# Altium PCB uTCA_MCH_PCB3.pcbdoc (part 6 of 25) (continued)
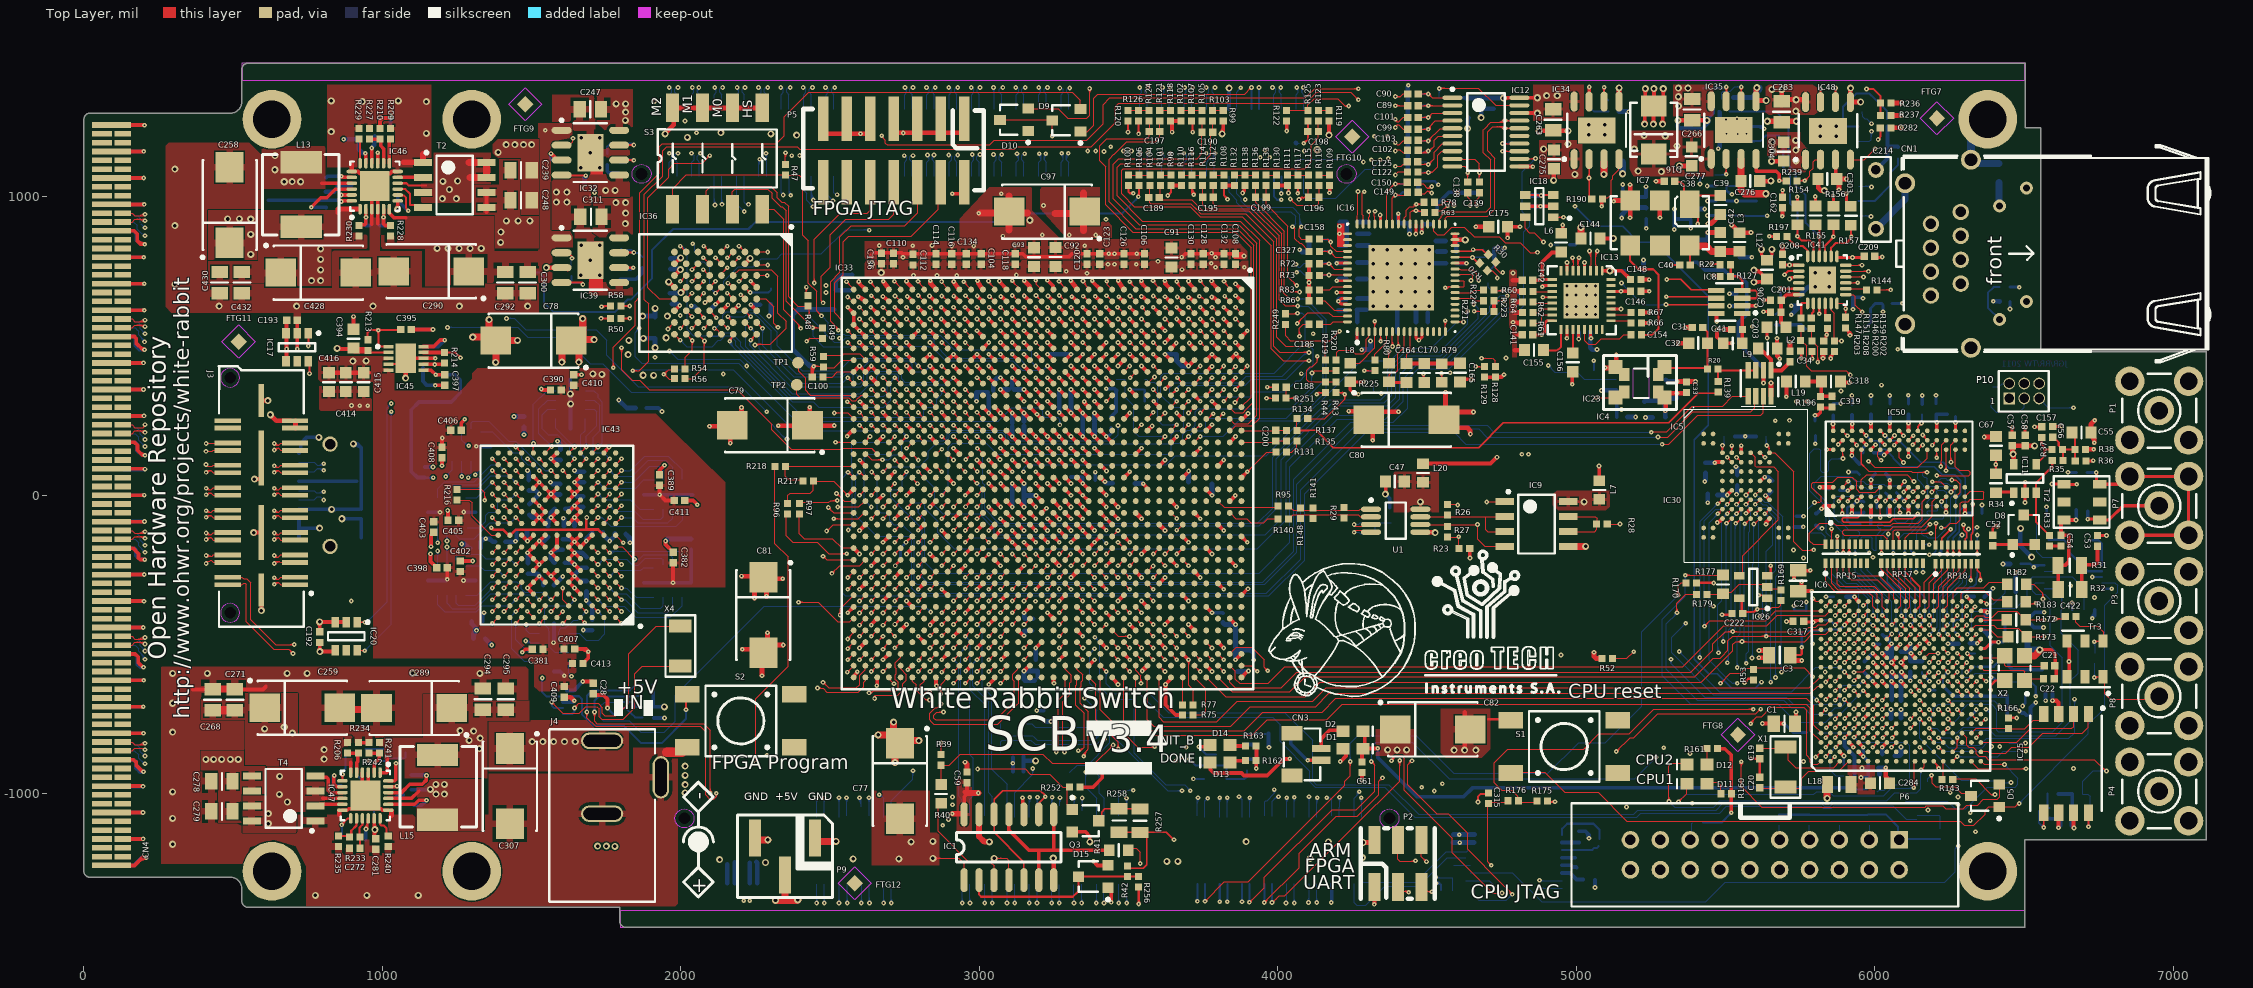
[diagram p0: Top Layer view]
## Nets (pads, with @x,y where several pads share a name; then routed paths per layer and width w, separated by ;. In a path a pad name is that pad's centre, name@x,y a point inside that pad or via, vN(x,y) a via of type N, cw(c..) or ccw(c..) an arc to the next point about the centre after c; other vN are vias at no path point) (continued)
D3: IC33.V24 IC36.E4 | length 1755.2
  Top Layer w3.94: IC36.E4@2096.46,696.85 v1(2116.14,716.54) ; v1@2110.24,716.54 cw(c2095.98,716.54) 2106.06,706.45 cw(c2116.14,696.37) v1@2116.14,710.63 ; v1@3188.98,-202.76 cw(c3188.98,-217.01) 3199.06,-206.93 cw(c3209.14,-196.85) v1@3194.88,-196.85 ; v1(3188.98,-196.85) IC33.V24@3208.66,-216.54
  MidLayer2 w3.94: v1@2116.14,710.63 cw(c2116.14,696.37) 2126.22,706.45 cw(c2136.3,716.54) v1@2122.05,716.54 ; v1(2116.14,716.54) 2131.02,701.65 ; 2131.02,701.5 2135.16,697.36 2135.16,601.5 2192.32,544.33 2276.61,544.33 2364.13,456.81 2555.98,456.81 2634.84,377.95 2752.52,377.95 2861.21,269.26 ; 2861.21,268.32 2908.08,221.46 ; 2909.76,221.46 2949.35,221.46 3097.4,73.41 3097.4,73.24 3104.9,65.75 3105.06,65.75 3167.32,3.49 3167.32,-175.2 v1(3188.98,-196.85) ; v1@3183.07,-196.85 ccw(c3168.81,-196.85) 3178.9,-186.77 ccw(c3188.98,-176.69) v1@3188.98,-190.94
D4: IC33.H24 IC36.E5 | length 2299.8
  Top Layer w3.94: v1@2076.77,639.76 2092.52,655.51 cw(c2082.75,665.28) v1@2081.32,651.54 ; v1@2086.61,645.67 cw(c2096.11,645.67) IC36.E5@2089.39,652.38 ; IC33.H24@3602.36,-216.54 v1(3622.05,-236.22) ; v1@3616.14,-236.22 ccw(c3601.88,-236.22) 3611.97,-226.14 ccw(c3622.05,-216.06) v1@3622.05,-230.31
  MidLayer3 w3.94: v1@2076.53,641.49 cw(c2068.34,633.3) 2079.92,633.3 ; 2079.92,629.52 cw(c2096.85,629.52) v1@2084.88,641.49 ; v1(2080.7,645.67) 2076.77,641.73 2079.92,638.58 2079.92,614.96 2092.48,602.4 2092.48,558.86 2104.45,546.89 2104.45,481.97 2115.63,470.79 2115.63,372.95 2172.85,315.73 2210.62,315.73 2226.89,299.46 2226.89,264.45 2353.54,137.8 2676.38,137.8 2709.84,104.33 2751.97,104.33 2774.8,81.5 2774.8,48.31 2780.2,42.91 2780.2,33.7 2787.7,26.2 2796.91,26.2 2815.35,7.76 2815.35,-5.91 ; 2815.45,-5.76 2824.98,-15.29 3420.47,-15.29 3503.61,-98.43 3562.06,-98.43 3639.76,-176.13 3639.76,-218.5 v1(3622.05,-236.22) ; v1@3622.05,-230.31 ccw(c3622.05,-216.06) 3632.13,-226.14 ccw(c3642.21,-236.22) v1@3627.95,-236.22
D5: IC33.H25 IC36.G5 | length 2358.6
  Top Layer w3.94: IC36.G5@2017.72,657.48 v1(2037.4,677.17) ; v1@2031.5,677.17 cw(c2017.24,677.17) 2027.32,667.08 cw(c2037.4,657) v1@2037.4,671.26 ; v1(3582.68,-275.59) IC33.H25@3602.36,-255.91 ; v1@3582.68,-269.69 ccw(c3582.68,-255.43) 3592.76,-265.51 ccw(c3602.84,-275.59) v1@3588.58,-275.59
  MidLayer3 w3.94: v1@2031.5,677.17 cw(c2017.24,677.17) 2027.32,667.08 cw(c2037.4,657) v1@2037.4,671.26 ; v1(2037.4,677.17) 2021.65,661.42 1988.19,661.42 1976.38,649.61 1976.38,407.56 2348.5,35.43 2622.05,35.43 2829.24,-171.76 3260.72,-171.76 3280.51,-191.55 ; 3280.51,-191.61 3312.32,-223.43 ; 3312.39,-223.43 3319.88,-230.92 3319.88,-236.02 3335.64,-251.78 3560.84,-251.78 v1@3582.68,-273.62 ; 3571.2,-262.15 cw(c3557.76,-275.59) v1@3576.77,-275.59 ; 3575.96,-266.9 ccw(c3582.68,-260.18) v1@3582.68,-269.69 ; 3577.92,-268.87 cw(c3571.2,-275.59) v1@3580.71,-275.59
D6: IC33.P24 IC36.G6 | length 1967
  Top Layer w3.94: IC36.G6@2017.72,618.11 v1(2037.4,598.43) ; v1@2031.5,598.43 ccw(c2017.24,598.43) 2027.32,608.51 ccw(c2037.4,618.59) v1@2037.4,604.33 ; v1(3346.46,-236.22) IC33.P24@3366.14,-216.54 ; v1@3346.46,-230.32 ccw(c3346.46,-216.06) 3356.54,-226.14 ccw(c3366.62,-236.22) v1@3352.36,-236.22
  MidLayer3 w3.94: 2027.9,596.46 cw(c2027.9,588.92) v1@2033.23,594.25 ; v1@2031.95,600.7 cw(c2025.59,603.35) 2025.59,596.46 ; v1@2039.37,596.46 2025.59,596.46 ; 2789.57,-92.72 2841.34,-144.49 3272.82,-144.49 3300.47,-172.13 3300.47,-172.53 3333.66,-205.73 3333.66,-225 v1@3344.88,-236.22 ; 2789.57,-92.52 2788.42,-92.52 2744.2,-48.3 2744.2,-47.16 2647.84,49.21 2353.23,49.21 2011.81,390.63 2011.81,582.68 2025.59,596.46 ; 3333.69,-225.03 ccw(c3346.46,-212.26) v1@3346.46,-230.32 ; 3337.49,-228.83 cw(c3330.1,-236.22) v1@3340.55,-236.22
D7: IC33.R24 IC36.H7 | length 1936.8
  Top Layer w3.94: v1(1956.69,557.09) IC36.H7@1978.35,578.74 ; v1@1956.69,562.99 ccw(c1956.69,577.25) 1966.77,567.17 ccw(c1976.86,557.09) v1@1962.6,557.09 ; v1(3307.09,-236.22) IC33.R24@3326.77,-216.54 ; v1@3307.09,-230.32 ccw(c3307.09,-216.06) 3317.17,-226.14 ccw(c3327.25,-236.22) v1@3312.99,-236.22
  MidLayer3 w3.94: 1930.83,486.49 1958.66,458.66 1958.66,406.02 2344.02,20.67 2596.58,20.67 2798.25,-181 3233.77,-181 3288.99,-236.22 v1(3307.09,-236.22) ; 1931.1,486.76 1931.1,532.93 v1@1954.72,556.55 ; 1944.17,545.99 cw(c1956.69,533.46) v1@1956.69,551.18 ; 1947.62,549.45 ccw(c1939.99,557.09) v1@1950.79,557.09 ; v1@1954.72,557.09 v1@1956.69,559.06 ; v1@3302.91,-240.4 ccw(c3292.83,-250.48) 3292.83,-236.22 ccw(c3292.83,-221.96) v1@3302.91,-232.04
D8: IC33.G23 IC36.E1 | length 4483.3
  Top Layer w3.94: v1@2076.77,828.74 cw(c2076.77,814.47) 2086.86,824.56 cw(c2096.92,834.64) v1@2082.67,834.64 ; v1(2076.77,834.64) IC36.E1@2096.46,814.96 ; v1@3622.05,-196.85 IC33.G23@3639.76,-179.13 ; v1@3622.05,-190.94 ccw(c3622.05,-176.69) 3632.13,-186.77 ccw(c3642.21,-196.85) v1@3627.95,-196.85
  MidLayer4 w3.94: v1@2052.28,1208.58 cw(c2052.28,1194.33) 2062.36,1204.41 cw(c2072.45,1214.49) v1@2058.19,1214.49 ; v1(2052.28,1214.49) 2077.99,1188.78 v1@2077.99,833.07 ; v1@2072.59,838.82 ccw(c2059.55,851.86) 2077.99,851.86 ; 2077.99,845.94 ccw(c2088.07,845.94) v1@2080.94,838.82
  MidLayer2 w3.94: v1@3616.14,-196.85 cw(c3601.88,-196.85) 3611.97,-206.93 cw(c3622.05,-217.01) v1@3622.05,-202.76 ; v1@3620.08,-198.82 3598.43,-220.47 3541.47,-220.47 3525,-204 3525,-187 3515.17,-177.17 3496.17,-177.17 3485,-166 3485,-147 3477,-139 3455,-139 3441.5,-125.5 3441.5,116.32 3657.86,332.68 3737.2,332.68 3932.05,527.52 3932.05,1074.1 3956.69,1098.74 v1(3956.69,1155.51) ; v1@3952.52,1151.34 cw(c3942.44,1141.25) 3956.69,1141.25 cw(c3970.95,1141.25) v1@3960.87,1151.34
  MidLayer3 w3.94: v1@2048.11,1218.66 ccw(c2035.37,1231.41) 2053.39,1231.41 ; v1@2053.39,1212.13 2053.39,1258.11 2088.58,1293.31 3903.26,1293.31 3956.69,1239.87 v1(3956.69,1155.51) ; 2053.39,1226.08 ccw(c2063.88,1226.08) v1@2056.46,1218.66 ; v1@3952.52,1159.69 ccw(c3942.44,1169.77) 3956.69,1169.77 ccw(c3970.95,1169.77) v1@3960.87,1159.69
  other v1: 3622.05,-196.85
D9: IC33.H23 IC36.E3 | length 4859.9
  Top Layer w3.94: v1@2074.8,750 cw(c2074.8,735.74) 2084.88,745.82 cw(c2094.97,755.91) v1@2080.71,755.91 ; v1(2074.8,755.91) IC36.E3@2094.49,736.22 ; v1@3582.67,-190.94 ccw(c3582.67,-176.67) 3592.77,-186.76 ; v1(3582.67,-196.85) IC33.H23@3602.36,-177.17 ; v1@3588.58,-196.85 cw(c3602.81,-196.85) 3592.75,-186.78
  MidLayer1 w3.94: 1867.95,1238.19 1824.65,1194.88 1824.65,1023.35 1844.61,1003.39 1844.61,857.48 1924.53,777.56 2053.15,777.56 v1(2074.8,755.91) ; 1868.11,1238.19 1883.86,1253.94 2012.87,1253.94 2013.6,1254.67 2013.88,1254.39 v1(2013.88,1253.96) ; 1999.57,1253.94 ccw(c1999.57,1268.27) v1@2009.7,1258.14 ; 1999.68,1253.94 cw(c1999.68,1239.76) v1@2009.7,1249.78 ; v1@2068.9,755.91 ccw(c2054.64,755.91) 2064.72,765.99 ccw(c2074.8,776.07) v1@2074.8,761.81
  MidLayer2 w3.94: v1@3576.76,-196.85 ccw(c3562.51,-196.85) 3572.59,-186.77 ccw(c3582.67,-176.69) v1@3582.67,-190.94 ; v1(3582.67,-196.85) 3560.82,-175 3533,-175 3525,-167 3525,-145 3519,-139 3497,-139 3487,-129 3487,119.87 3657.48,290.35 3735.24,290.35 3746.06,301.18 ; v1@3583.31,-196.85 v1@3583.31,-195.67 ; 3742.5,297.24 3945.02,499.77 3945.02,1062.3 3972.44,1089.72 v1(3972.44,1131.89) ; v1@3968.27,1127.71 cw(c3958.18,1117.63) 3972.44,1117.63 cw(c3986.7,1117.63) v1@3976.62,1127.71
  MidLayer3 w3.94: v1@2013.78,1257.87 2074.8,1318.9 3903.54,1318.9 3972.44,1250 v1(3972.44,1131.89) ; v1@2013.88,1259.87 ccw(c2013.88,1264.43) 2017.11,1261.2 ; v1@2015.85,1253.96 cw(c2030.29,1253.96) 2020.08,1264.17 ; v1@2019.79,1253.96 cw(c2043.73,1253.96) 2026.8,1270.89 ; v1@3968.27,1136.07 ccw(c3958.18,1146.15) 3972.44,1146.15 ccw(c3986.7,1146.15) v1@3976.62,1136.07
D10: IC33.N24 IC36.F3 | length 2155.9
  Top Layer w3.94: v1(2037.4,716.54) IC36.F3@2057.09,736.22 ; v1@2037.4,722.44 ccw(c2037.4,736.7) 2047.48,726.62 ccw(c2057.56,716.54) v1@2043.31,716.54 ; v1(3385.83,-236.22) IC33.N24@3405.51,-216.54 ; v1@3385.83,-230.31 ccw(c3385.83,-216.06) 3395.91,-226.14 ccw(c3405.99,-236.22) v1@3391.73,-236.22
  MidLayer3 w3.94: v1@2037.4,710.63 cw(c2037.4,701.13) 2044.12,707.85 ; v1@2037.4,714.57 2051.18,700.79 2051.18,548.54 ; v1@2039.37,716.54 ccw(c2048.87,716.54) 2042.15,709.81 ; v1@2043.31,716.54 ccw(c2062.32,716.54) 2048.87,703.09 ; 2051.14,554.88 2051.14,546.54 2042.8,538.19 2030.16,538.19 2022.8,530.83 2022.8,401.42 2365.16,59.06 2677.17,59.06 2720.47,15.75 ; 2712.6,23.62 2869.76,-133.54 3317.8,-133.54 3366.14,-181.89 3366.14,-217.32 v1@3385.43,-236.61 ; 3374.4,-225.58 ccw(c3385.83,-214.16) v1@3385.83,-230.32 ; 3376.3,-227.48 cw(c3367.57,-236.22) v1@3379.92,-236.22
D11: IC33.N23 IC36.F4 | length 2058.5
  Top Layer w3.94: IC36.F4@2057.09,696.85 v1(2076.77,716.54) ; v1@2070.87,716.54 cw(c2056.61,716.54) 2066.69,706.45 cw(c2076.77,696.37) v1@2076.77,710.63 ; v1(3385.83,-196.85) IC33.N23@3405.51,-177.17 ; v1@3385.83,-190.94 ccw(c3385.83,-176.69) 3395.91,-186.77 ccw(c3405.99,-196.85) v1@3391.73,-196.85
  MidLayer3 w3.94: v1@2070.87,716.54 cw(c2056.61,716.54) 2066.69,706.45 cw(c2076.77,696.37) v1@2076.77,710.63 ; v1(2076.77,716.54) 2062.99,702.75 2062.99,484.26 2062.99,384.8 2353.31,94.49 2681.3,94.49 2876.18,-100.39 3310.63,-100.39 3385.83,-175.59 v1@3385.83,-196.46 ; v1@3381.65,-192.67 ccw(c3371.57,-182.59) 3385.83,-182.59 ccw(c3400.08,-182.59) v1@3390,-192.67
D12: IC33.F23 IC36.F5 | length 2933.8
  Top Layer w3.94: IC36.F5@2057.09,657.48 v1(2076.77,677.17) ; v1@2070.87,677.17 cw(c2056.61,677.17) 2066.69,667.08 cw(c2076.77,657) v1@2076.77,671.26
  Top Layer w4.29: v1(3661.42,-196.85) IC33.F23@3679.13,-179.13 ; v1@3661.42,-191.12 ccw(c3661.42,-177.29) 3671.2,-187.07 ccw(c3680.98,-196.85) v1@3667.15,-196.85
  MidLayer1 w3.94: v1(1860.24,559.06) 1911.42,559.06 1925.2,572.83 2000,572.83 2015.75,588.58 2015.75,596.46 2050.69,631.4 2050.69,651.08 v1(2076.77,677.17) ; v1@1864.41,554.88 cw(c1874.49,544.8) 1874.49,559.06 cw(c1874.49,573.31) v1@1864.41,563.23 ; v1@2070.87,677.17 cw(c2056.61,677.17) 2066.69,667.08 cw(c2076.77,657) v1@2076.77,671.26
  MidLayer4 w3.94: v1@3273.86,239.95 ccw(c3282,248.08) 3282,236.57 ; v1@3274,231.73 cw(c3285.16,221.3) 3285.16,236.57 ; v1@3274.49,236.57 3285.16,236.57 ; 3312.09,209.65 3285.16,236.57 ; 3312.39,209.65 3327.76,194.28 3327.76,-120.39 3385.31,-177.95 3642.86,-177.95 v1@3661.71,-196.8 ; v1@3655.51,-196.85 ccw(c3641.25,-196.85) 3651.34,-186.77 ccw(c3661.42,-176.69) v1@3661.42,-190.94
  Bottom Layer w3.94: v1@1854.33,559.06 cw(c1840.07,559.06) 1850.15,548.97 cw(c1860.24,538.89) v1@1860.24,553.15 ; v1(1860.24,559.06) 1846.34,545.16 1846.34,463.9 1868.11,442.13 2193.31,442.13 2206.73,428.7 ; 2206.73,427.21 2385.91,248.03 3063.19,248.03 3108.47,293.31 3199.11,293.31 3211.8,280.62 3211.8,267.46 3218.6,260.66 3262.77,260.66 3269.69,253.74 v1@3269.69,238.78 ; v1@3265.51,239.95 ccw(c3255.44,250.02) 3269.68,250.02 ; 3269.68,250.03 ccw(c3283.95,250.03) v1@3273.86,239.95
  other v1: 3269.69,235.77
D13: IC33.F24 IC36.H5 | length 4809.4
  Top Layer w3.94: IC36.H5@1974.41,657.48 1927.17,657.48 1889.76,694.88 1889.76,996.06 1958.66,1064.96 1958.66,1092.52 1978.35,1112.2 2070.87,1112.2 v1(2096.46,1137.8) ; v1@2090.55,1137.8 cw(c2076.29,1137.8) 2086.38,1127.71 cw(c2096.46,1117.63) v1@2096.46,1131.89 ; IC33.F24@3681.1,-216.54 v1(3700.79,-236.22) ; v1@3694.88,-236.22 ccw(c3680.63,-236.22) 3690.71,-226.14 ccw(c3700.79,-216.06) v1@3700.79,-230.32
  MidLayer2 w3.94: 3588.62,302.2 3401.57,115.16 3401.57,-126.57 3415,-140 3430,-140 3446,-156 3446,-238 3461.94,-253.94 3683.07,-253.94 v1(3700.79,-236.22) ; 3589.3,302.2 3596.8,309.7 ; 3596.8,310.38 3658.46,372.05 3738.56,372.05 3917.13,550.62 3917.13,1084.37 3940.94,1108.18 v1(3940.94,1131.89) ; v1@3694.88,-236.22 cw(c3680.63,-236.22) 3690.71,-246.3 cw(c3700.79,-256.38) v1@3700.79,-242.13 ; v1@3936.77,1127.71 cw(c3926.69,1117.63) 3940.94,1117.63 cw(c3955.2,1117.63) v1@3945.12,1127.71
  MidLayer3 w3.94: v1(2096.46,1137.8) 2096.46,1143.02 2225.79,1272.36 3894.96,1272.36 3927.87,1239.46 3927.87,1182.84 3940.94,1169.76 v1(3940.94,1131.89) ; v1@2098.43,1137.8 cw(c2115.8,1137.8) 2103.51,1150.08 ; v1@2102.36,1137.8 cw(c2129.24,1137.8) 2110.24,1156.8 ; v1@3936.77,1136.07 ccw(c3926.69,1146.15) 3940.94,1146.15 ccw(c3955.2,1146.15) v1@3945.12,1136.07
D14: IC33.L24 IC36.G7 | length 5757
  Top Layer w3.94: v1(1998.03,559.06) IC36.G7@2017.72,578.74 ; v1@1998.03,564.96 ccw(c1998.03,579.22) 2008.11,569.14 ccw(c2018.2,559.06) v1@2003.94,559.06 ; v1(3464.57,-236.22) IC33.L24@3484.25,-216.54 ; v1@3464.57,-230.32 ccw(c3464.57,-216.06) 3474.65,-226.14 ccw(c3484.73,-236.22) v1@3470.47,-236.22
  MidLayer1 w3.94: v1@1913.39,458.66 1998.03,543.31 v1(1998.03,559.06) ; v1@1913.39,464.57 ccw(c1913.39,478.82) 1923.47,468.74 ; v1@1913.39,468.5 ccw(c1913.39,492.27) 1930.19,475.46 ; v1@1919.29,462.6 cw(c1924.04,462.6) 1920.68,465.96 ; v1@1993.86,554.88 cw(c1983.77,544.8) 1998.03,544.8 cw(c2012.29,544.8) v1@2002.21,554.88 ; v1@3458.66,-236.22 ccw(c3444.4,-236.22) 3454.49,-226.14 ccw(c3464.57,-216.06) v1@3464.57,-230.31 ; v1(3464.57,-236.22) 3446.35,-218 3419,-218 3406,-205 3406,234 3493,321 3562,321 3575.65,334.65 3624.8,334.65 3637.8,347.64 3637.8,366.14 3647.64,375.98 3830.96,375.98 3838.67,383.69 3838.67,403.21 3844.91,409.45 4076.77,409.45 v1(4078.74,407.48) ; 4059.73,409.45 cw(c4059.73,388.47) v1@4074.56,403.3 ; v1@4074.56,411.66 cw(c4069.24,416.99) 4069.24,409.45 cw(c4069.24,397.98) v1@4077.35,406.09
  MidLayer2 w3.94: 1892.32,629.92 1892.32,477.17 ; 1892.99,629.57 1909.45,646.02 1909.45,1316.93 v1(1911.42,1318.9) ; 1899,470.48 ccw(c1913.29,484.77) v1@1913.38,464.57 ; v1@1907.24,1314.72 cw(c1901.91,1309.39) 1909.45,1309.39 cw(c1920.92,1309.39) v1@1912.81,1317.51 ; v1@1909.45,462.6 v1(1913.39,462.6) 1913.39,456.1 1892.32,477.17 ; 1909.45,1299.89 cw(c1930.43,1299.89) v1@1915.59,1314.72 ; v1@1913.36,468.5 cw(c1913.23,498.07) 1892.32,477.16 ; v1(4078.74,407.48) 4087.24,415.98 ; v1@4079.49,413.34 ccw(c4080.68,422.54) 4087.24,415.98 ; v1@4084.41,1149.37 cw(c4064.41,1129.37) 4092.69,1129.37 ; v1@4084.6,408.23 cw(c4093.8,409.42) 4087.24,415.98 ; v1@4087.19,1152.15 cw(c4073.92,1138.88) 4092.69,1138.88 ; v1(4088.58,1153.54) 4092.69,1149.44 4092.69,869.07 4087.24,863.63 4087.24,415.98
  MidLayer3 w3.94: v1(1911.42,1318.9) 1964.57,1318.9 1982.68,1337.01 3985.83,1337.01 4039.86,1282.98 4086.61,1236.22 4086.61,1198.63 4072.83,1184.84 4072.83,1169.3 v1(4088.58,1153.54) ; v1@1915.59,1314.72 cw(c1925.67,1304.64) 1925.67,1318.9 cw(c1925.67,1333.15) v1@1915.59,1323.07 ; v1@4082.68,1153.54 ccw(c4068.42,1153.54) 4078.5,1163.62 ccw(c4088.58,1173.71) v1@4088.58,1159.45
D15: IC33.M23 IC36.E7 | length 1926.3
  Top Layer w3.94: v1(2076.77,559.06) IC36.E7@2096.46,578.74 ; v1@2076.77,564.96 ccw(c2076.77,579.22) 2086.85,569.14 ccw(c2096.94,559.06) v1@2082.68,559.06 ; v1(3425.2,-196.85) IC33.M23@3444.88,-177.17 ; v1@3425.2,-190.94 ccw(c3425.2,-176.69) 3435.28,-186.77 ccw(c3445.36,-196.85) v1@3431.1,-196.85
  MidLayer3 w3.94: v1@2077.2,557.13 cw(c2079,549.06) 2084.86,554.91 ; v1@2078.06,553.29 cw(c2080.85,540.77) 2089.92,549.84 ; v1@2080.71,559.06 2089.92,549.84 ; v1@2082.68,559.06 ccw(c2087.43,559.06) 2084.07,555.69 ; 2604.95,104.1 2577,104.1 2562.99,118.11 2349.61,118.11 2094.25,373.46 2094.25,530.12 2089.92,534.45 2089.92,549.84 ; 2605.18,104.33 2693.7,104.33 2703.54,94.49 2718.88,94.49 2735.52,77.85 2735.52,58.67 2820.56,-26.37 2842.92,-26.37 2909.54,-92.99 3341.42,-92.99 3405.51,-157.09 3405.51,-177.17 v1@3423.23,-194.88 ; v1@3419.29,-196.85 ccw(c3405.03,-196.85) 3415.12,-186.77 ccw(c3425.2,-176.69) v1@3425.2,-190.94
DAC_CONTROL.DAC_DMTD_DIN: IC8.7 IC33.AH17 | length 3660.9
  Top Layer w3.94: v1@2795,73.09 cw(c2795,58.8) 2805.11,68.91 ; v1(2795,79) IC33.AH17@2814.96,59.06 ; v1@2800.91,79 ccw(c2815.12,79) 2805.07,68.95 ; IC8.7@5465.43,639 IC8.7@5468.64,635.79
  Top Layer w4.92: v1(5300,639) IC8.7@5465.43,639
  MidLayer2 w3.94: v1(4768,668) 4838,668 4929,577 5090,577 5109,596 5109,669 v1(5151,711) ; v1@4772.18,663.82 cw(c4782.26,653.74) 4782.26,668 cw(c4782.26,682.26) v1@4772.18,672.18 ; v1@5145.09,711 cw(c5130.84,711) 5140.92,700.92 cw(c5151,690.84) v1@5151,705.09
  Bottom Layer w3.94: v1@2795,73.09 cw(c2795,58.84) 2805.08,68.92 cw(c2815.16,79) v1@2800.91,79 ; v1(2795,79) 2851,23 2851,-35.84 2877.16,-62 2999,-62 3050.5,-113.5 3050.5,-127.5 3055,-132 3958,-132 4012,-78 4012,119.66 4191.34,299 4366,299 4395,328 4395,410 4441.5,456.5 4550.5,456.5 4710,616 4710,633 4745,668 v1(4768,668) ; v1@4763.82,663.82 ccw(c4753.74,653.74) 4753.74,668 ccw(c4753.74,682.26) v1@4763.82,672.18 ; v1@5151,705.09 cw(c5151,690.84) 5161.08,700.92 cw(c5171.16,711) v1@5156.91,711 ; v1(5151,711) 5223,639 v1(5300,639) ; v1@5295.82,634.82 ccw(c5285.74,624.74) 5285.74,639 ccw(c5285.74,653.26) v1@5295.82,643.18
DAC_CONTROL.DAC_DMTD_SCLK: IC8.6 IC33.AC15 | length 3367
  Top Layer w3.94: v1@2993,151.09 cw(c2993,136.84) 3003.08,146.92 cw(c3013.16,157) v1@2998.91,157 ; v1(2993,157) 3011.81,138.19 IC33.AC15@3011.81,137.8 ; IC8.6@5466.45,665 IC8.6@5471.95,659.5
  Top Layer w4.92: v1(5301,665) IC8.6@5466.45,665
  MidLayer2 w3.94: v1@4635.83,610.27 cw(c4635.83,596.01) 4645.91,606.09 cw(c4655.99,616.17) v1@4641.73,616.17 ; v1(4635.83,616.17) 4655.2,596.8 4854.2,596.8 4901,550 5158,550 5273,665 v1(5301,665) ; v1@5296.82,660.82 ccw(c5286.74,650.74) 5286.74,665 ccw(c5286.74,679.26) v1@5296.82,669.18
  Bottom Layer w3.94: v1@2993,151.09 cw(c2993,136.84) 3003.08,146.92 cw(c3013.16,157) v1@2998.91,157 ; v1(2993,157) 3012,138 3012,41 3017.72,35.28 3017.72,-45.08 3065.64,-93 3262.37,-93 3262.52,-93.15 3931.63,-93.15 3982,-42.78 3982,127.65 4174.15,319.8 4345.2,319.8 4368,342.61 4368,422 4425,479 4539.83,479 4635.83,575 v1(4635.83,616.17) ; v1@4631.65,612 cw(c4621.57,601.92) 4635.83,601.92 cw(c4650.08,601.92) v1@4640,612
DAC_CONTROL.DAC_DMTD_SYNC: IC8.5 IC33.AD17 | length 3386.7
  Top Layer w3.94: IC33.AD17@2972.44,59.06 2991.5,40 v1(2992,40) ; 2981.06,50.44 ccw(c2992,61.37) v1@2992,45.91 ; 2982.27,49.22 cw(c2973.05,40) v1@2986.09,40
  Top Layer w4.92: v1(5303,723) 5349.74,723 5385.12,687.62 IC8.5@5469.74,687.62
  MidLayer2 w3.94: v1@4656,633.09 cw(c4656,618.84) 4666.08,628.92 cw(c4676.16,639) v1@4661.91,639 ; v1(4656,639) 4674,621 4856,621 4915,562 5148,562 5192,606 5192,664 5233,705 5285,705 v1(5303,723) ; v1@5297.09,723 cw(c5282.84,723) 5292.92,712.92 cw(c5303,702.84) v1@5303,717.09
  Bottom Layer w3.94: v1@2992,34.09 cw(c2992,19.84) 3002.08,29.92 cw(c3012.16,40) v1@2997.91,40 ; v1(2992,40) 3009.84,22.16 3009.84,-58.84 3054,-103 3938,-103 3995,-46 3995,122.52 4182.55,310.07 4356.93,310.07 4382,335.14 4382,420 4429.32,467.32 4545.32,467.32 4671.26,593.26 4671.26,625.74 4657,640 4657,641 4656,640 v1(4656,639) ; v1@4656,633.09 cw(c4656,614.01) 4669.5,627.5 ; v1@4656,637.03 cw(c4656,627.45) 4662.77,634.23 ; v1@4661.91,639 ccw(c4671.33,639) 4664.67,632.33
DAC_CONTROL.DAC_REF_DIN: IC5.7 IC33.AP17 | length 4045.7
  Top Layer w3.94: v1@2560,71.09 cw(c2560,54.92) 2571.44,66.36 ; v1(2560,77) 2560.8,77 IC33.AP17@2578.74,59.06 ; v1@2565.91,77 ccw(c2578.24,77) 2569.52,68.28 ; v1(5287.31,170.98) 5309.29,170.98 5406.96,268.65 5618.42,268.65 5626.58,276.81 IC5.7@5626.58,331.69
  Bottom Layer w3.94: v1@2554.09,77 cw(c2539.84,77) 2549.92,66.92 cw(c2560,56.84) v1@2560,71.09 ; v1(2560,77) 2540,57 2540,-326 2551,-337 3970,-337 4090,-217 4090,4.51 4296.49,211 4590.42,211 4629.81,171.61 v1@5287.82,171.61
DAC_CONTROL.DAC_REF_SCLK: IC5.6 IC33.AN17 | length 3904
  Top Layer w3.94: v1@2598,71.09 cw(c2598,51.61) IC33.AN17@2611.78,65.39 ; v1@2598,75.03 cw(c2598,65.05) 2605.06,72.11 ; v1(2598,77) 2600.17,77 IC33.AN17@2618.11,59.06 ; v1@2603.91,77 ccw(c2612.93,77) 2606.55,70.62 ; v1(5273.64,194.91) 5305.38,194.91 5389.87,279.4 5583.75,279.4 5597.91,293.56 5597.91,328.62 IC5.6@5600.99,331.69
  Bottom Layer w3.94: v1@2592.09,77 cw(c2577.84,77) 2587.92,66.92 cw(c2598,56.84) v1@2598,71.09 ; v1(2598,77) 2585,64 2585,6.06 2584.65,5.71 2584.65,-66.65 2656,-138 2764,-138 2773,-147 2773,-312.17 2789.95,-329.13 3961.87,-329.13 4077,-214 4077,18 4281,222 4672.95,222 4699.93,195.02 v1@5273.9,195.02
DAC_CONTROL.DAC_REF_SYNC: IC5.5 IC33.AM17 | length 3739
  Top Layer w3.94: v1@2639,72.09 cw(c2639,58.96) 2648.29,68.25 ; v1(2639,78) 2639,77.54 IC33.AM17@2657.48,59.06 ; v1@2644.91,78 ccw(c2660.28,78) 2649.41,67.13 ; v1(5251.18,211.03) 5251.18,212.01 5252.15,212.98 5252.64,212.49 5302.45,212.49 5388.7,298.74 5489.86,298.74 5522.81,331.69 IC5.5@5575.4,331.69
  Bottom Layer w3.94: v1@2639,72.09 cw(c2639,57.84) 2649.08,67.92 cw(c2659.16,78) v1@2644.91,78 ; v1(2639,78) 2658,59 2658,-47 2669,-58 2688,-58 2699,-69 2699,-84 2713,-98 2742,-98 2781.49,-137.49 2781.49,-289.49 2790.87,-298.87 3956.13,-298.87 4064,-191 4064,36.89 4261.11,234 4701.36,234 4723.6,211.76 5250,211.76 v1@5251.41,210.35
DDR_A0: IC50.M8 RP18.15 | length 663.7
  Top Layer w3.94: v1@6192,169.07 IC50.M8@6207.13,184.2 ; v1@6192,173.91 ccw(c6192,185.58) 6200.25,177.32 ; v1@6197.91,168 cw(c6214.75,168) IC50.M8@6202.84,179.91
  Top Layer w4.29: RP18.15@6223.86,-166.63 6223.86,-144.14 v1(6254,-114) ; v1@6248.27,-114 cw(c6234.44,-114) 6244.22,-123.78 cw(c6254,-133.56) v1@6254,-119.73
  MidLayer1 w4.29: v1@6187.95,172.05 ccw(c6175.76,184.24) 6193,184.24 ; v1(6192,168) 6193,169 6193,217 6205,229 6246,229 6255,220 6255,204 6248,197 6239,197 6236,194 6236,180 6255,161 6255,145 6271.96,128.04 6271.96,-22.39 6254,-40.35 v1(6254,-114) ; 6193,179.42 ccw(c6203.42,179.42) v1@6196.05,172.05 ; v1@6249.95,-109.95 ccw(c6240.17,-100.17) 6254,-100.17 ccw(c6267.83,-100.17) v1@6258.05,-109.95
DDR_A1: IC50.M3 RP20.16 | length 666.5
  Top Layer w3.94: v1(6191,11) 6206.72,26.72 IC50.M3@6207.13,26.72 ; v1@6191,16.91 ccw(c6191,31.16) 6201.08,21.08 ccw(c6211.16,11) v1@6196.91,11
  MidLayer4 w3.94: v1(6182,-166) 6255,-166 6260,-161 6260,-133 6257,-130 6246,-130 6244,-132 6244,-143 6238,-149 6224,-149 6220,-145 6220,-130 6214,-124 6208,-124 6204,-128 6204,-145 6199,-150 6189,-150 6158,-119 6158,-97 6177,-78 6203,-78 6211,-70 6211,-65 6202.5,-56.5 6177.5,-56.5 6170,-49 6170,-37 6173,-34 6194,-34 6198,-30 6198,-20 6195,-17 6180,-17 6178,-15 6178,-2 v1(6191,11) ; v1@6185.09,11 cw(c6170.84,11) 6180.92,0.92 cw(c6191,-9.16) v1@6191,5.09 ; v1@6186.18,-170.18 cw(c6196.26,-180.26) 6196.26,-166 cw(c6196.26,-151.74) v1@6186.18,-161.82
  Bottom Layer w3.94: RP20.16@6160.47,-164.23 6180.23,-164.23 v1(6182,-166) ; RP20.16@6163.47,-164.23 cw(c6163.47,-184.53) v1@6177.82,-170.18 ; 6172.02,-164.23 ccw(c6172.02,-156.02) v1@6177.82,-161.82 ; 6172.97,-164.23 cw(c6172.97,-175.03) v1@6180.61,-167.39
DDR_A2: IC50.M7 RP18.16 | length 674
  Top Layer w3.94: v1@6200.82,-98.18 cw(c6195.11,-103.89) 6203.19,-103.89 ; v1@6202.82,130.18 ccw(c6192.44,140.56) 6207.13,140.56 ; RP18.16@6203.19,-166.63 6203.19,-95.81 v1(6205,-94) ; 6203.19,-112.63 cw(c6223.63,-112.63) v1@6209.18,-98.18 ; 6203.19,-103.12 cw(c6214.12,-103.12) v1@6206.39,-95.39 ; v1@6207.13,126.13 IC50.M7@6207.13,152.7 ; 6207.13,139.95 ccw(c6220.95,139.95) v1@6211.18,130.18
  MidLayer1 w3.94: 6155.89,93.17 6151.96,93.17 ; 6159.6,92.95 6139.5,92.95 6139.28,93.17 ; v1@6200.82,-89.82 ccw(c6190.74,-79.74) 6205,-79.74 ccw(c6219.26,-79.74) v1@6209.18,-89.82 ; v1(6205,-94) 6205,-16 6225,4 6225,67.49 6199.49,93 6152.13,93 6151.96,93.17 ; v1(6207,126) 6218,137 6241,137 6245,133 6245,123 6231.78,109.78 6139.52,109.78 6135.04,105.3 6135.04,97.41 6139.28,93.17 ; v1@6207,131.91 ccw(c6207,146.16) 6217.08,136.08 ccw(c6227.16,126) v1@6212.91,126 ; 6139.28,93.17 6151.96,93.17
DDR_A3: IC50.N2 RP20.12 | length 612.1
  Top Layer w3.94: v1@6223,-20.4 IC50.N2@6238.62,-4.78 ; v1@6223,-15.09 ccw(c6223,-2.28) 6232.06,-11.34 ; v1@6228.91,-21 cw(c6244.61,-21) IC50.N2@6233.5,-9.9
  Bottom Layer w3.94: RP20.12@6080.75,-164.23 6080.75,-145.74 6098.99,-127.5 6119.5,-127.5 6168,-79 6227,-79 6231.26,-74.74 6231.26,-70.74 6227.51,-67 6181,-67 6175,-61 6175,-56 6179,-52 6209,-52 6211,-50 6211,-41 6203,-33 6179,-33 6176,-30 6176,-21 6187,-10 6206,-10 6213,-3 6213,1 6208,6 6208,13 6212,17 6231,17 6240,8 6240,-34 6232,-42 6226,-42 6223,-39 v1(6223,-21) ; v1@6218.82,-25.18 cw(c6208.74,-35.26) 6223,-35.26 cw(c6237.26,-35.26) v1@6227.18,-25.18
DDR_A4: IC50.N8 RP20.11 | length 663.6
  Top Layer w3.94: v1@6216.82,100.18 ccw(c6204.33,112.67) 6222,112.67 ; v1(6221,96) 6222,97 6222,116.05 6223.79,117.84 6223.79,169.36 IC50.N8@6238.62,184.2 ; 6222,107.84 ccw(c6232.84,107.84) v1@6225.18,100.18
  MidLayer4 w3.94: v1(6062,-195) 6076,-195 ; v1@6066.23,-199.12 cw(c6076,-208.64) 6076,-195 ; v1@6066.23,-190.88 ccw(c6076,-181.36) 6076,-195 ; v1@6216.82,91.82 ccw(c6206.74,81.74) 6206.74,96 ccw(c6206.74,110.26) v1@6216.82,100.18 ; v1(6221,96) 6145,96 6115,66 6115,-29 6098,-46 6098,-103 6090,-111 6090,-149 6096,-155 6109,-155 6116,-162 6116,-173 6111,-178 6093,-178 6076,-195
  Bottom Layer w3.94: v1@6057.82,-190.82 ccw(c6050.01,-183.01) 6061.06,-183.01 ; v1@6061.06,-194.06 RP20.11@6061.06,-164.23 ; RP20.11@6061.06,-178.48 ccw(c6078.52,-178.48) v1@6066.18,-190.82
DDR_A5: IC50.N3 RP17.13 | length 706.7
  Top Layer w3.94: v1@6072.82,-134.18 cw(c6052.08,-154.92) RP17.13@6081.42,-154.92 ; v1@6075.61,-131.39 cw(c6061.58,-145.42) 6081.42,-145.42 ; v1(6077,-130) 6081.42,-134.42 RP17.13@6081.42,-165.33 ; v1(6192,45) 6220.34,45 IC50.N3@6238.62,26.72 ; v1@6196.18,40.82 cw(c6206.26,30.74) 6206.26,45 cw(c6206.26,59.26) v1@6196.18,49.18
  MidLayer1 w3.94: v1@6071.09,-130 ccw(c6056.84,-130) 6066.92,-119.92 ccw(c6077,-109.84) v1@6077,-124.09 ; v1(6077,-130) 6062,-115 6062,-100 6071,-91 6154,-91 6178.2,-66.8 6178.2,-32 6172.2,-26 6147,-26 6143,-22 6143,-14 6149,-8 6173.2,-8 6176.7,-4.5 6176.7,32.7 6167.41,42 6154.49,42 6135.49,61 6117,61 6112,66 6112,75 6118,81 6147,81 6166,62 6187,62 6192,57 ; v1@6188.4,49.68 ccw(c6182.76,57) 6192,57 ; v1(6192,45) 6192,57 ; v1@6195.6,49.68 cw(c6201.24,57) 6192,57
DDR_A6: IC50.N7 RP17.12 | length 681.7
  Top Layer w3.94: RP17.12@6101.1,-165.33 6101.1,-142.9 6117,-127 v1(6188,-127) ; v1@6183.82,-131.18 ccw(c6173.74,-141.26) 6173.74,-127 ccw(c6173.74,-112.74) v1@6183.82,-122.82 ; v1@6233.82,86.18 ccw(c6222.24,97.76) 6238.62,97.76 ; v1@6238,80 6238.62,80.62 6238.62,82 IC50.N7@6238.62,152.7 ; 6238.62,94.76 ccw(c6250.76,94.76) v1@6242.18,86.18
  MidLayer1 w3.94: v1(6188,-127) 6196,-135 ; v1@6189.04,-132.81 cw(c6190.43,-140.57) 6196,-135 ; v1@6193.81,-128.04 ccw(c6201.57,-129.43) 6196,-135 ; v1@6233.82,77.82 cw(c6223.74,67.74) 6238,67.74 cw(c6252.26,67.74) v1@6242.18,77.82 ; v1(6238,82) 6238,-31 6223,-46 6223,-67 6236,-80 6236,-132 6255,-151 6265,-151 6270,-156 6270,-173 6265,-178 6207,-178 6196,-167 6196,-135